# Altium PCB main.PcbDoc (part 1 of 2) (continued)
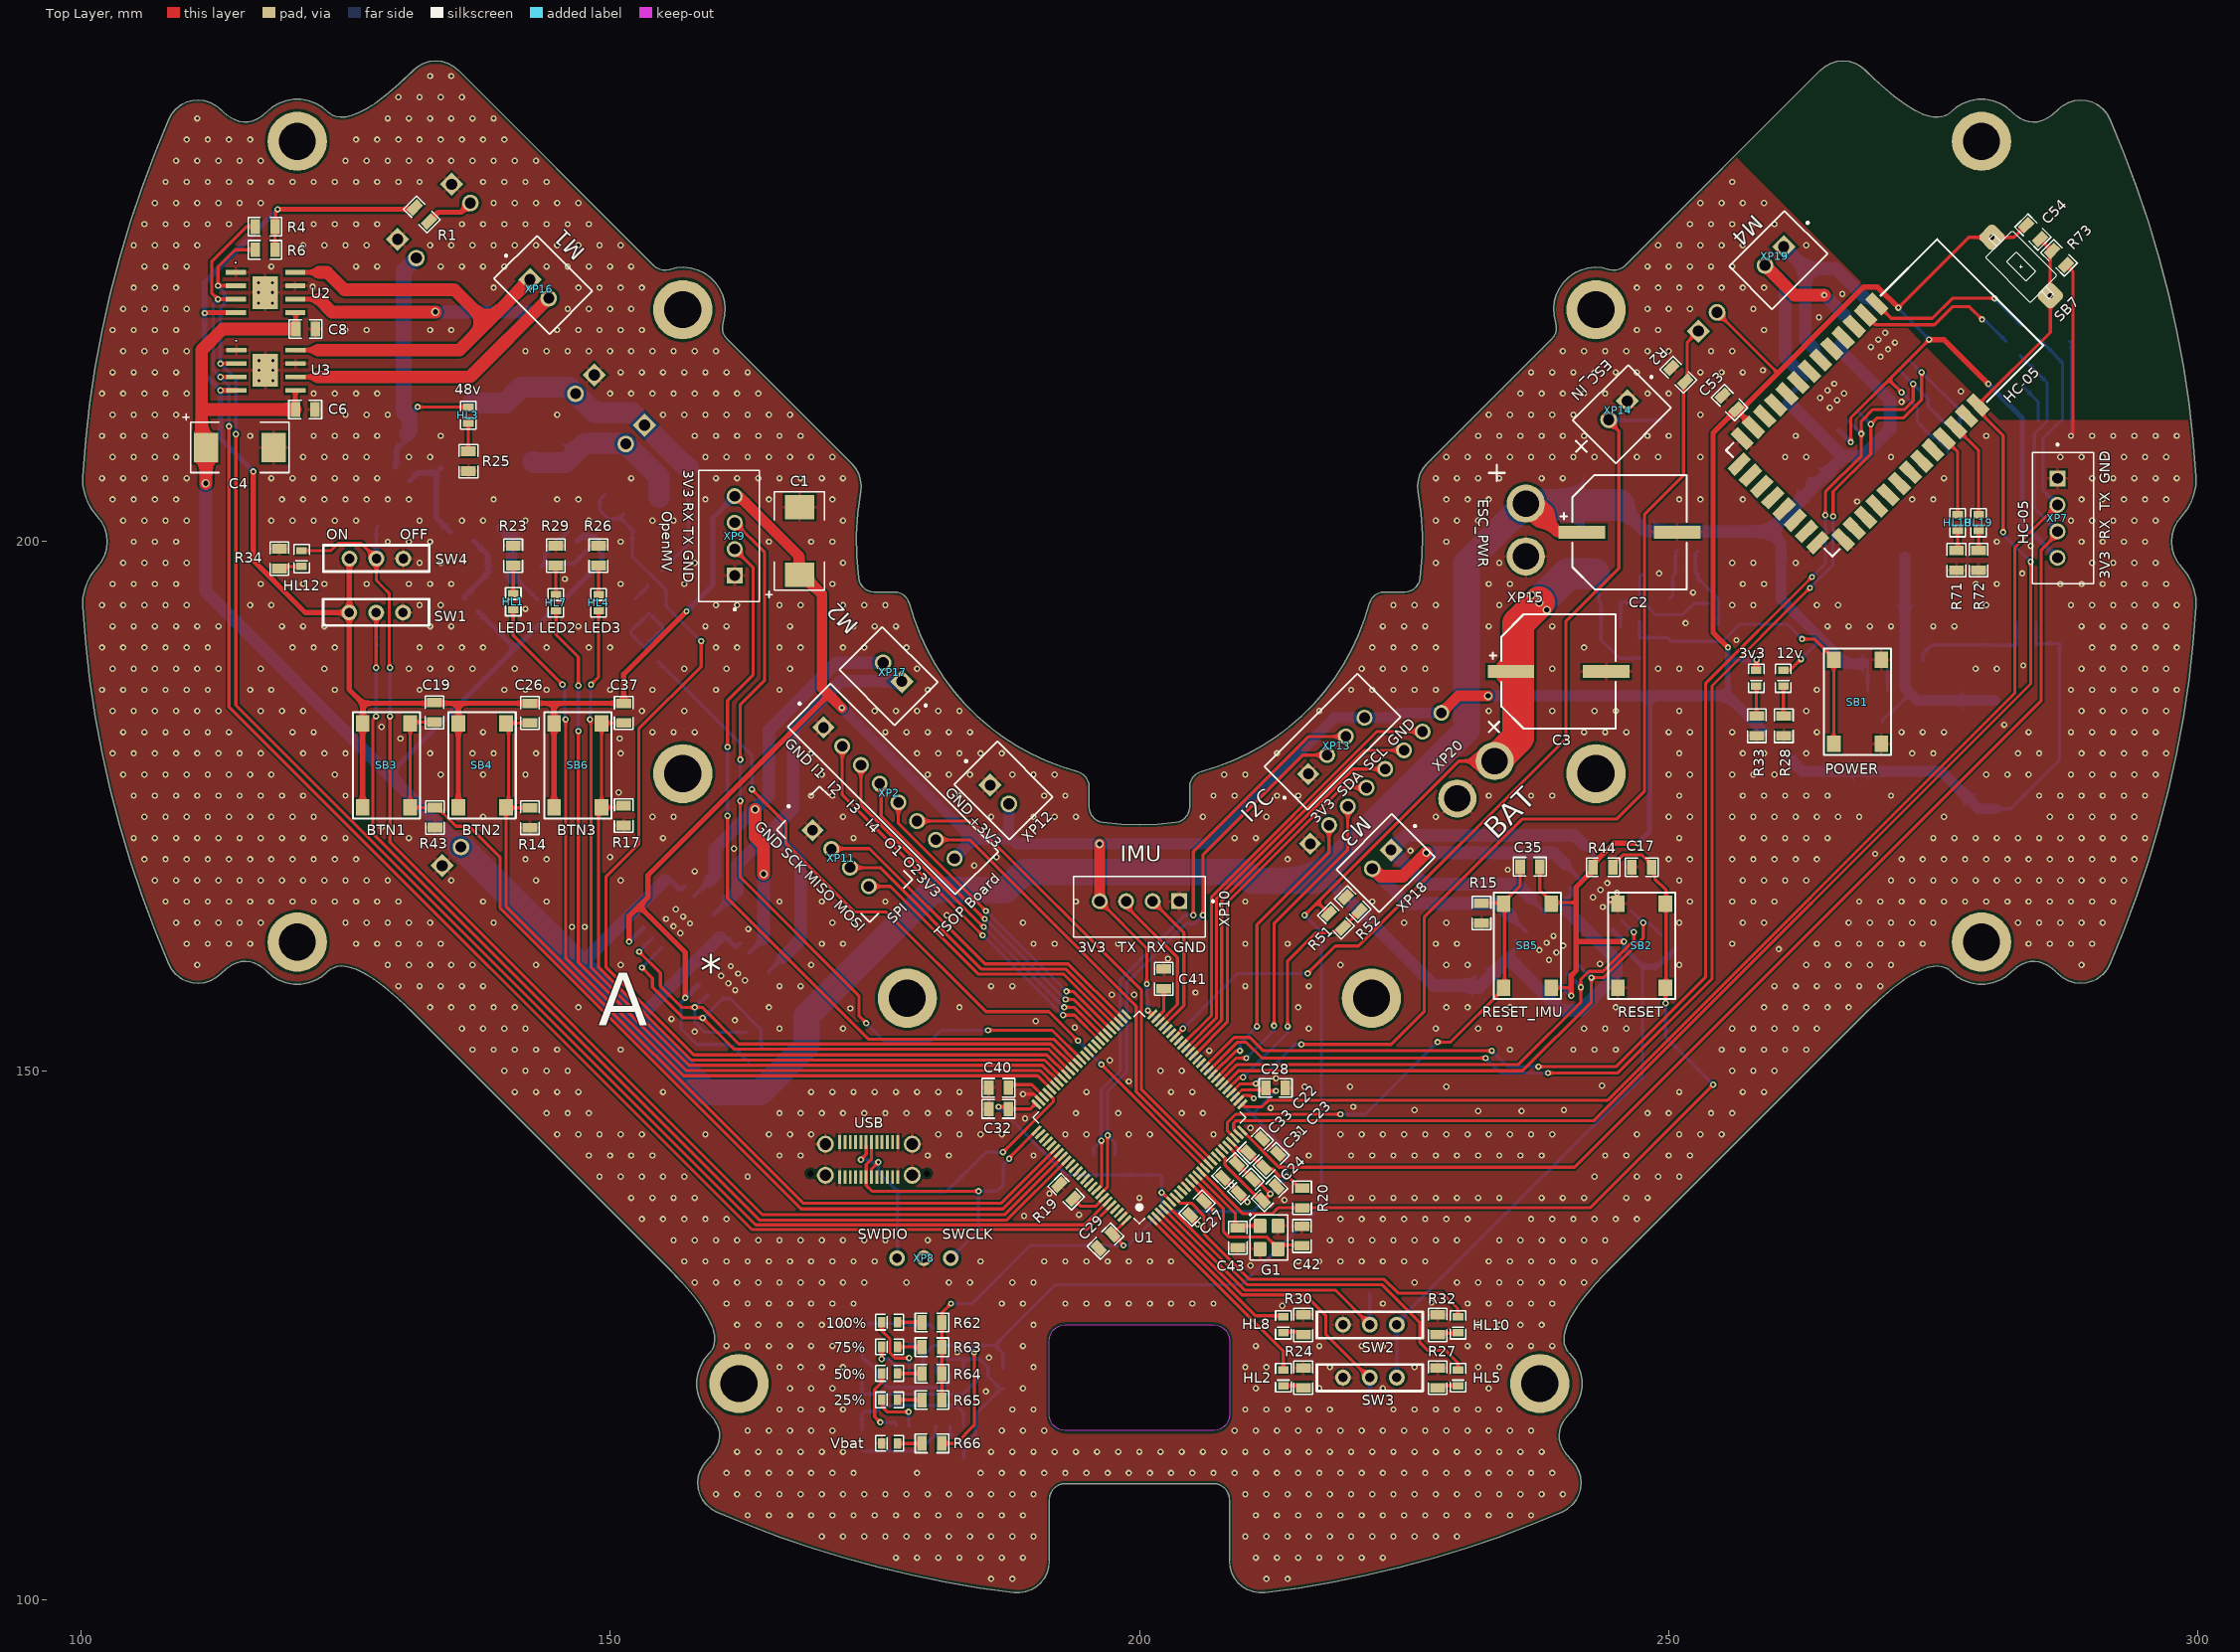
[diagram p0: Top Layer view]
## Components (designator, comment, footprint, x,y, rotation, side; value= is the part's Value field where it differs from the comment) (continued)
R36 "10K" RES0805 247.293,189.917 r90 bottom
R37 "100K" RES0805 244.542,191.917 r0 bottom
R38 "10K" RES0805 220.778,128.92 r0 bottom
R39 "300K" RES0805 251.578,197 r0 bottom
R40 "100K" RES0805 250.863,200.062 r90 bottom
R41 "10K" RES0805 220.778,118.2 r0 bottom
R42 "10K" RES0805 129,201.5 r180 bottom
R43 "10K" RES0805 133.42,173.93 r90 top
R44 "10K" RES0805 243.8,169.2 r180 top
R45 "1K" RES0805 197.72,141.1 r90 bottom
R46 "10K" RES0805 130.4,206.4 r135 bottom
R47 "10K" RES0805 136.9,194 r315 bottom
R48 "1K" RES0805 154.208,196.542 r45 bottom
R49 "13K" RES0805 153.007,193.892 r135 bottom
R50 "1K" RES0805 155.672,191.114 r135 bottom
R51 "39K" RES0805 218.559,164.169 r135 top
R52 "11K" RES0805 220.159,165.769 r315 top
R53 "1K" RES0805 153.912,189.325 r135 bottom
R54 "10K" RES0805 178.242,125.07 r270 bottom
R55 "14K" RES0805 173.825,125.199 r90 bottom
R56 "1K" RES0805 173.825,121.835 r90 bottom
R57 "1K" RES0805 173.825,118.512 r90 bottom
R58 "1K" RES0805 173.805,115.113 r90 bottom
R59 "12K" RES0805 176.1,113.113 r90 bottom
R60 "10K" RES0805 187.166,120.893 r90 bottom
R61 "5.1K" RES0805 182.5,113.4 r0 bottom
R62 "1K" RES0805 180.4,126.247 r0 top
R63 "1K" RES0805 180.4,123.913 r0 top
R64 "1K" RES0805 180.4,121.413 r0 top
R65 "1K" RES0805 180.4,118.913 r0 top
R66 "4.7K" RES0805 180.4,114.813 r0 top
R67 "10K" RES0805 284.218,215.25 r45 bottom
R68 "10K" RES0805 287.218,218.275 r225 bottom
R69 "0R" RES0805 284.054,219.74 r315 bottom
R70 "0R" RES0805 282.55,218.25 r315 bottom
R71 "1K" RES0805 277.156,198.244 r90 top
R72 "1K" RES0805 279.254,198.242 r90 top
R73 "10K" RES0805 286.865,226.8 r135 top
SB1 "POWER" DTSM-61N-V-T/R 265.592,188.838 r270 top
SB2 "RESET" DTSM-61N-V-T/R 249.7,157.85 r90 top
SB3 "BTN1" DTSM-61N-V-T/R 131.119,174.893 r90 top
SB4 "BTN2" DTSM-61N-V-T/R 140.159,174.893 r90 top
SB5 "RESET_IMU" DTSM-61N-V-T/R 234.4,165.8 r270 top
SB6 "BTN3" DTSM-61N-V-T/R 149.2,174.893 r90 top
SB7 "PTS636 SP43 LFS" "PTS636 SP43 LFS" 283.3,226 r135 top
SW1 "ESP1010" ESP1010 127.956,193.314 r0 top
SW2 "Role" ESP1010 221.717,126 r180 top
SW3 "Goal" ESP1010 221.717,121 r180 top
SW4 "Motor" ESP1010 127.977,198.414 r0 top
U1 "STM32F407VGT6" LQFP100 200,145.6 r135 top locked
U2 "DRV8870" DRV8870 117.4,223.55 r270 top
U3 "DRV8870" DRV8870 117.437,216.209 r270 top
U4 "DRV8870" DRV8870 156.415,164.075 r135 bottom
U5 "DRV8870" DRV8870 161.606,158.686 r135 bottom
U6 "DRV8870" DRV8870 238.975,161.612 r225 bottom
U7 "DRV8870" DRV8870 244.061,166.609 r225 bottom
U8 "DRV8870" DRV8870 265.5,213.8 r225 bottom
U9 "DRV8870" DRV8870 270.306,218.606 r225 bottom
U10 "LM139DR" SOIC-14 180.835,118.948 r270 bottom
USB "USB" "USB-C VERTICAL" 174.438,141.603 r180 top (schematic designator J1)
Vbat "Red" LED0603_RED 176.4,114.793 r0 top (schematic designator HL17)
VD1 "Diode TVS" "DO-214AC (SMA)" 187.111,137.221 r270 bottom
VD2 "Diode TVS" "DO-214AC (SMA)" 182.311,137.221 r270 bottom
VD3 "Diode Schottky" "DO-214AC (SMA)" 268.2,183 r180 bottom
VD5 "Diode Schottky" "DO-214AC (SMA)" 156,205.587 r225 bottom
VD6 "Diode Schottky" "DO-214AC (SMA)" 250.098,192.675 r90 bottom
VT1 "IRS4427" SOIC-8 148.185,202.223 r225 bottom
VT2 "STD30NF06L" DPAK 140.4,205.3 r45 bottom
VT3 "TPSTD10P6F6" DPAK 134.725,210.931 r45 bottom
VT4 "IRLML2502" SOT-23-3#1 253.7,193.2 r90 bottom
VT5 "FDD6637" DPAK 245.25,200.25 r90 bottom
VT6 "IRLML2502" SOT-23-3#2 135.7,200 r315 bottom
VT7 "IRLML2502" SOT-23-3#2 139.381,196.391 r315 bottom
XP1 "Line Board" JST_XH-8 222.352,177.623 r45 bottom
XP2 "TSOP Board" JST_XH-8 176.36,176.264 r315 top
XP3 "BALL_LED" JST_XH-2 135.545,232.513 r315 bottom
XP4 "CAP" JST_XH-2 147.245,215.237 r225 bottom
XP5 "BALL_SEN" JST_XH-2 254.055,220.413 r45 bottom
XP6 "Solenoid" JST_XH-2 151.995,210.487 r225 bottom
XP7 "HC-05" JST_XH-4 287.255,202.221 r270 top
XP8 "ST-Lnk" 3x2.54 179.64,132.3 r0 top
XP9 "OpenMV" JST_XH-4 161.246,200.55 r90 top
XP10 "IMU" JST_XH-4 200,165.5 r180 top
XP11 "SPI" "JST_XH-4 (clear)" 171.8,170.1 r315 top
XP12 "+3V3" JST_XH-2 187.155,176.487 r315 top
XP13 "I2C" JST_XH-4 218.245,181.087 r45 top
XP14 "ESC_IN" JST_XH-2 245.587,212.045 r225 top
XP15 "ESC_PWR" XT30_3D 236.5,201.1 r90 top
XP16 "M1" JST_XH-2 143.687,224.255 r315 top
XP17 "M2" JST_XH-2 176.3,187.3 r135 top
XP18 "M3" JST_XH-2 223.255,169.613 r225 top
XP19 "M4" JST_XH-2 260.355,226.613 r225 top
XP20 "BAT" XT30_3D 231.8,177.5 r45 top
XP21 "XL6009 IN" JST_XH-2 135.4,169.9 r45 bottom
XP22 "XL6009 OUT" JST_XH-2 130.445,227.313 r315 bottom

## Footprints (in the part's own frame and the unit in brackets; to place one, negate y for a bottom-side part, rotate by r counter-clockwise, add the part's x,y. Pads: shape width x height; smd on the part's side, far side on the other; paste and mask are expansions set on the pad)
3x2.54 [mm]
  round 1.5 hole 0.9: 1(-2.54,0) 2(0,0) 3(2.54,0)
  body extent -3.81,-1.27 3.81,1.27, height 8.6
CAP0805 [mm] "SMD ceramic capacitor 0805"
  rect 0.9x1.397 smd: 1(-0.929,0.006) 2(0.931,0.006)
  silkscreen extent -1.55,-0.88 1.55,0.88, body extent -1,-0.63 1,0.62, height 1.24
CAP_TANT_D [mil]
  rect 90x110 smd: 1(126.76,-0.24) 2(-125.2,-0.24)
  silkscreen extent -211,-94 184,125, body extent -148,-89 148,89, height 122
D8C3.2H12 [mm]
  rect 3.2x1.2 smd: 1(-3.4,0) 2(3.4,0)
  round 0.5 on Mech1: ""(-4.3,-3.7)
  silkscreen extent -5.5,-4.4 4.4,4.4, body extent -4.85,-4.25 4.85,4.25, height 10.5
D10C4.4H10 [mm]
  rect 4.4x1.2 smd: 1(-4.5,0) 2(4.5,0)
  silkscreen extent -6.5,-5.4 5.4,5.4, body extent -5.9,-5.25 5.9,5.25, height 10.5
"DO-214AC (SMA)" [mm] "SMA"
  rrect0% 2x2.1 smd: A(1.95,0.003) K(-1.95,0.003)
  silkscreen extent -3.25,-1.6 3.22,1.6, body extent -2.65,-1.4 2.65,1.4, height 2.3
DPAK [mm] "TO-252"
  rect 6.25x6.5 smd: D(3.219,0.034)
  rect 2.5x1.2 smd: G(-3.281,2.324) S(-3.281,-2.256)
  round 0.5 on Mech1: ""(-3.231,2.934)
  silkscreen extent -3.41,-3.27 -0.33,3.75, body extent -3.83,-3.28 6.27,3.45, height 2.37
DRV8870 [mm] "DC motor driver"
  rect 0.45x1.9 smd: 1(-1.897,-2.75) 2(-0.627,-2.75) 3(0.643,-2.75) 4(1.913,-2.75) 5(1.913,2.85) 6(0.643,2.85) 7(-0.627,2.85) 8(-1.897,2.85)
  rect 3.1x2.4 smd: 9(0.008,0)
  body extent -2.45,-2.85 2.45,3.05, height 1.46
DTSM-61N-V-T/R [mm] "Tactile button"
  rect 1.55x1.3 smd: 1(0,4.5) 2(7.95,4.5) 3(0,0) 4(7.95,0)
  silkscreen extent -1.05,-0.93 9,5.43, body extent -0.52,-0.75 8.47,5.25, height 4.3
ESP1010 [mm] "Slide switch"
  round 1.5 hole 0.9: 1(-2.596,-0.014) 2(-0.056,-0.014) 3(2.484,-0.014)
  silkscreen extent -5.06,-1.24 4.94,1.26, body extent -5.06,-1.24 4.94,1.26, height 6.55
HC-05 [mm] "Bluetooth HC-05"
  rect 2.2x1 smd: 1(-6.886,6.787) 2(-6.886,5.287) 3(-6.886,3.787) 4(-6.886,2.287) 5(-6.886,0.787) 6(-6.886,-0.713) 7(-6.886,-2.213) 8(-6.886,-3.713) 9(-6.886,-5.213) 10(-6.886,-6.713) 11(-6.886,-8.213) 12(-6.886,-9.713) 13(-6.886,-11.213) 22(6.614,-11.213) 23(6.614,-9.713) 24(6.614,-8.213) 25(6.614,-6.713) 26(6.614,-5.213) 27(6.614,-3.713) 28(6.614,-2.213) 29(6.614,-0.713) 30(6.614,0.787) 31(6.614,2.287) 32(6.614,3.787) 33(6.614,5.287) 34(6.614,6.787)
  rect 1x2.2 smd: 14(-5.386,-13.113) 15(-3.886,-13.113) 16(-2.386,-13.113) 17(-0.886,-13.113) 18(0.614,-13.113) 19(2.114,-13.113) 20(3.614,-13.113) 21(5.114,-13.113)
  round 0.5 on Mech1: 33(-6.586,7.787)
  round 0.5 on Top Overlay: 34(-7.686,7.787)
  silkscreen extent -7.19,-13.06 7.01,15.14, body extent -6.55,-12.95 6.45,13.95, height 2.2
"IND: B82477G" [mm]
  rrect50% 3x6 smd: 1(-0.25,1.5) 2(10,1.5)
  silkscreen extent -1.5,-5 11.25,8, body extent -1.5,-4.9 11.3,7.9, height 8
JST_XH-2 [mm] "JST_B2B-XH-A(LF)(SN)"
  rect 1.575x1.575 / inner round 1.575 / far side rect 1.575x1.575 hole 1.05: 1(-1.25,-0.525)
  round 1.575 hole 1.05: 2(1.25,-0.525)
  silkscreen extent -4.55,-2.88 3.7,2.88, body extent -3.7,-2.88 3.7,2.88, height 7
JST_XH-4 [mm] "JST_B4B-XH-A(LF)(SN)"
  rect 1.508x1.508 / inner round 1.508 / far side rect 1.508x1.508 hole 1: 1(-3.75,-0.525)
  round 1.508 hole 1: 2(-1.25,-0.525) 3(1.25,-0.525) 4(3.75,-0.525)
  silkscreen extent -7.05,-2.88 6.2,2.88, body extent -6.2,-2.88 6.2,2.88, height 7
"JST_XH-4 (clear)" [mm]
  rect 1.508x1.508 / inner round 1.508 / far side rect 1.508x1.508 hole 1: 1(-3.75,-0.025)
  round 1.508 hole 1: 2(-1.25,-0.025) 3(1.25,-0.025) 4(3.75,-0.025)
  silkscreen extent -7.05,-2.38 6.2,3.38, body extent -6.2,-2.38 6.2,3.37, height 7
JST_XH-8 [mm] "JST_B8B-XH-A(LF)(SN)"
  rect 1.508x1.508 hole 1: 1(-8.75,-0.017)
  round 1.508 hole 1: 2(-6.25,-0.017) 3(-3.75,-0.017) 4(-1.25,-0.017) 5(1.25,-0.017) 6(3.75,-0.017) 7(6.25,-0.017) 8(8.75,-0.017)
  silkscreen extent -12.05,-2.37 11.2,3.38, body extent -11.2,-2.37 11.2,3.38, height 7
LED0603_GREEN [mm] "Green SMD LED"
  rect 0.7x1 smd: 1(-0.75,0) 2(0.75,0)
  silkscreen extent -1.33,-0.73 1.33,0.73, body extent -0.8,-0.4 0.8,0.4, height 0.6
LED0603_RED [mm] "Red SMD LED"
  rect 0.7x1 smd: 1(-0.75,0) 2(0.75,0)
  silkscreen extent -1.33,-0.73 1.33,0.73, body extent -0.82,-0.4 0.78,0.4, height 0.6
LED0603_WHITE [mm] "White SMD LED"
  rect 0.7x1 smd: 1(-0.75,0) 2(0.75,0)
  silkscreen extent -1.33,-0.73 1.33,0.73, body extent -0.8,-0.4 0.8,0.4, height 0.75
LQFP100 [mm] "Microcontroller"
  rect 1.2x0.3 smd: 1(-7.75,6) 2(-7.75,5.5) 3(-7.75,5) 4(-7.75,4.5) 5(-7.75,4) 6(-7.75,3.5) 7(-7.75,3) 8(-7.75,2.5) 9(-7.75,2) 10(-7.75,1.5) 11(-7.75,1) 12(-7.75,0.5) 13(-7.75,0) 14(-7.75,-0.5) 15(-7.75,-1) 16(-7.75,-1.5) 17(-7.75,-2) 18(-7.75,-2.5) 19(-7.75,-3) 20(-7.75,-3.5) 21(-7.75,-4) 22(-7.75,-4.5) 23(-7.75,-5) 24(-7.75,-5.5) 25(-7.75,-6) 51(7.75,-6) 52(7.75,-5.5) 53(7.75,-5) 54(7.75,-4.5) 55(7.75,-4) 56(7.75,-3.5) 57(7.75,-3) 58(7.75,-2.5) 59(7.75,-2) 60(7.75,-1.5) 61(7.75,-1) 62(7.75,-0.5) 63(7.75,0) 64(7.75,0.5) 65(7.75,1) 66(7.75,1.5) 67(7.75,2) 68(7.75,2.5) 69(7.75,3) 70(7.75,3.5) 71(7.75,4) 72(7.75,4.5) 73(7.75,5) 74(7.75,5.5) 75(7.75,6)
  rect 0.3x1.2 smd: 26(-6,-7.75) 27(-5.5,-7.75) 28(-5,-7.75) 29(-4.5,-7.75) 30(-4,-7.75) 31(-3.5,-7.75) 32(-3,-7.75) 33(-2.5,-7.75) 34(-2,-7.75) 35(-1.5,-7.75) 36(-1,-7.75) 37(-0.5,-7.75) 38(0,-7.75) 39(0.5,-7.75) 40(1,-7.75) 41(1.5,-7.75) 42(2,-7.75) 43(2.5,-7.75) 44(3,-7.75) 45(3.5,-7.75) 46(4,-7.75) 47(4.5,-7.75) 48(5,-7.75) 49(5.5,-7.75) 50(6,-7.75) 76(6,7.75) 77(5.5,7.75) 78(5,7.75) 79(4.5,7.75) 80(4,7.75) 81(3.5,7.75) 82(3,7.75) 83(2.5,7.75) 84(2,7.75) 85(1.5,7.75) 86(1,7.75) 87(0.5,7.75) 88(0,7.75) 89(-0.5,7.75) 90(-1,7.75) 91(-1.5,7.75) 92(-2,7.75) 93(-2.5,7.75) 94(-3,7.75) 95(-3.5,7.75) 96(-4,7.75) 97(-4.5,7.75) 98(-5,7.75) 99(-5.5,7.75) 100(-6,7.75)
  silkscreen extent -7.1,-7.1 7.1,7.1, body extent -8.03,-8 7.97,8, height 1.6
"PTS636 SP43 LFS" [mm]
  rrect50% 2x2 hole 0.5: 1(-3.9,0) 2(3.9,0)
  silkscreen extent -4,-1.8 4,1.8
RES0805 [mm] "SMD resistor 0805"
  rect 0.9x1.397 smd: 1(-0.938,-0.02) 2(0.942,-0.02)
  silkscreen extent -1.58,-0.9 1.58,0.85, body extent -1,-0.63 1,0.62, height 0.5
RES1206 [mm] "SMD resistor 1206"
  rect 1x1.77 smd: 1(-1.6,0) 2(1.6,0)
  silkscreen extent -2.28,-1.08 2.28,1.08, body extent -1.6,-0.8 1.6,0.8, height 0.55
SOD-80 [mm]
  rect 1.11x1.73 smd: A(1.67,0.022) K(-1.74,0.022)
  silkscreen extent -2.8,-1.09 2.47,1.14, body extent -1.79,-0.78 1.71,0.82, height 1.6
SOIC-8 [mm] "SOIC-8"
  rrect25% 1.97x0.6 smd: 1(-2.498,1.907) 2(-2.498,0.637) 3(-2.498,-0.633) 4(-2.498,-1.903) 5(2.442,-1.903) 6(2.442,-0.633) 7(2.442,0.637) 8(2.442,1.907)
  silkscreen extent -2.3,-2.7 2.3,3.3, body extent -2.95,-2.45 2.95,2.45, height 1.5
SOIC-14 [mm] "SOIC-14"
  rrect50% 1.97x0.6 smd: 1(-2.441,3.804) 2(-2.441,2.534) 3(-2.441,1.264) 4(-2.441,-0.006) 5(-2.441,-1.276) 6(-2.441,-2.546) 7(-2.441,-3.816) 8(2.509,-3.816) 9(2.509,-2.546) 10(2.509,-1.276) 11(2.509,-0.006) 12(2.509,1.264) 13(2.509,2.534) 14(2.509,3.804)
  silkscreen extent -2.2,-4.57 2.3,5.1, body extent -2.97,-4.33 3.03,4.32, height 1.75
SOT-23-3#1 [mm]
  rect 0.8x0.8 smd: D(0.967,0.043)
  rect 0.9x0.8 smd: G(-1.033,0.993) S(-1.033,-0.907)
  silkscreen extent -1.68,-1.51 1.57,2.14, body extent -1.18,-1.46 1.12,1.54, height 1.1
SOT-23-3#2 [mm]
  rect 1.4x1 smd: D(-1.195,-0.091) G(1.005,-1.041) S(1.005,0.859)
  silkscreen extent -2.1,-1.8 2,1.6, body extent -1.37,-1.58 0.93,1.42, height 1.1
TO263-5L [mm] "XL4015"
  rect 1.05x2.5 smd: 1(-3.199,-6.264) 2(-1.499,-6.264) 3(0.201,-6.264) 4(1.901,-6.264) 5(3.601,-6.264)
  rect 10.9x9.1 smd: 3(0.201,3.636)
  body extent -4.88,-6.92 5.28,7.74, height 4.83
TSX-3225 [mm]
  round 0.508 on Mech15: 0(0,0)
  rrect25% 1.4x1.2 smd: 1(-1.1,-0.85) 2(1.1,-0.85) 3(1.1,0.85) 4(-1.1,0.85)
  silkscreen extent -2.26,-1.88 2.16,1.78, body extent -1.65,-1.3 1.65,1.3, height 0.8
"USB-C VERTICAL" [mm]
  round 0 hole 0.6 unplated: 8(-5.5,1.3) 8(5.5,1.3)
  rect 0.27x1.3 smd: A1(-2.75,1.65) A2(-2.25,1.65) A3(-1.75,1.65) A4(-1.25,1.65) A5(-0.75,1.65) A6(-0.25,1.65) A7(0.25,1.65) A8(0.75,1.65) A9(1.25,1.65) A10(1.75,1.65) A11(2.25,1.65) A12(2.75,1.65) B1(2.75,-1.65) B2(2.25,-1.65) B3(1.75,-1.65) B4(1.25,-1.65) B5(0.75,-1.65) B6(0.25,-1.65) B7(-0.25,-1.65) B8(-0.75,-1.65) B9(-1.25,-1.65) B10(-1.75,-1.65) B11(-2.25,-1.65) B12(-2.75,-1.65)
  round 1.6 hole 1.1: S1(-4.1,1.47) S2(4.1,1.47) S3(-4.1,-1.47) S4(4.1,-1.47)
  body extent -4.48,-1.84 4.47,1.85, height 7.46
XT30_3D [mm]
  round 3.6 hole 2.5 paste+6: 1(-2.5,0) 2(2.5,0)
  body extent -5.23,-2.58 5.23,2.67, height 13

## Part data
3v3 12v 25% 50% 75% 100% HL1 HL2 HL3 HL4 HL5 HL7 HL8 HL10 HL12 HL18 HL19 Vbat: library part LED, "LED smd"
C1 C4 C5 C10 C11: library part "CAP Tantal", "Tantal SMD Cap"
C2 C36: library part "Cap Aluminum", "25V", ComponentLink1Description=Chipdip
  C2: ComponentLink1URL=https://www.chipdip.ru/product0/9000565743
  C36: ComponentLink1URL=https://www.chipdip.ru/product0/9000565748
C3: library part "Cap Aluminum", ComponentLink1Description=Chipdip, ComponentLink1URL=https://www.chipdip.ru/product0/9000565743
C6 C7 C8 C9 C12 C13 C14 C15 C17 C18 C19 C20 C21 C22 C23 C24 C25 C26 C27 C28 C29 C30 C31 C32 C33 C34 C35 C37 C38 C40 C41 C42 C43 C44 C45 C46 C52 C53 C54: library part "CAP Ceramic", "Ceramic SMD Cap"
C16: library part "Cap Aluminum", "50V", ComponentLink1Description=Chipdip, ComponentLink1URL=https://www.chipdip.ru/product0/9000565743
D1 D2: library part "Diode Zener", "Zener Diode / BZV55C8V2"
DA1: "Buck converter"
G1: library part "TSX-3225 24.0000MF15X-AC6", "24MHz ±10ppm Crystal 9pF 40 Ohms 4-SMD, No Lead", Digi-Key Part Number=SER4180CT-ND, HelpURL=https://www.digikey.com/en/products/detail/epson/TSX-3225-24-0000MF15X-AC6/5261221, Manufacturer Part Number="TSX-3225 24.0000MF15X-AC6", Part Number="TSX-3225 24.0000MF15X-AC6", Price$=0.33
HC-05: "Bluetooth HC-05", ComponentLink1Description=Chipdip, ComponentLink1URL=https://www.chipdip.ru/product0/8020390968
L1: library part Inductor, ComponentLink1Description=Chipdip, ComponentLink1URL=https://www.chipdip.ru/product/b82477g4473m
R1 R2 R3 R4 R5 R6 R7 R8 R9 R10 R11 R12 R13 R14 R15 R16 R17 R18 R19 R20 R21 R22 R23 R24 R25 R26 R27 R28 R29 R30 R31 R32 R33 R34 R35 R36 R37 R38 R39 R40 R41 R42 R43 R44 R45 R46 R47 R48 R49 R50 R51 R52 R53 R54 R55 R56 R57 R58 R59 R60 R61 R62 R63 R64 R65 R66 R67 R68 R69 R70 R71 R72 R73: library part RES, "RES smd"
SB1 SB2 SB3 SB4 SB5 SB6: library part Button
SB7: "TACT 6.0 X 3.5, 4.3 MM H, 320GF,", Digi-Key Part Number=CKN12304-ND, HelpURL=https://www.digikey.com/product-detail/en/c-k/PTS636-SP43-LFS/CKN12304-ND/10071717, Manufacturer Part Number="PTS636 SP43 LFS", Part Number="PTS636 SP43 LFS", Price$=0.1
SW1: "2 pos switch", ComponentLink1Description=Chipdip, ComponentLink1URL=https://www.chipdip.ru/product0/8007034319
SW2 SW3 SW4: library part ESP1010, "2 pos switch", ComponentLink1Description=Chipdip, ComponentLink1URL=https://www.chipdip.ru/product0/8007034319
U1: "ARM Cortex-M4 32-bit MCU+FPU, 210 DMIPS, 1024 kB Flash, 192 kB Internal RAM, 82 I/Os, 100-pin LQFP, -40 to 85 degC, Tray", I/Os (High Current)=82, MANUFACTURER=STMicroelectronics, Operating Frequency(F) (Processor speed) (MHz)=168, Supplier Part Number 1=497-11605-ND, Supply Voltage(Vcc) max (V)=3.6, Supply Voltage(Vcc) min (V)=1.8, ComponentLink1Description="Manufacturer URL", ComponentLink1URL=http://www.st.com/web/en/home.html, ComponentLink2Description=Datasheet, ComponentLink2URL=http://www.st.com/st-web-ui/static/active/en/resource/technical/document/datasheet/DM00037051.pdf, ComponentLink3Description="Package Specification", ComponentLink3URL=http://www.st.com/st-web-ui/static/active/en/resource/technical/document/data_brief/DM00071938.pdf, Core="ARM Cortex-M4", D/A Converter=2x12-bit, DatasheetVersion="Rev. 4", FLASH Size (Prog) (kB)=1024, Internal RAM Size (kB)=192, Mounting Technology="Surface Mount", PackageDescription="100-Pin Low Profile Quad Flat Package, 14 x 14 mm Body, 0.5 mm Pitch", PackageReference=LQFP100, PackageVersion="Rev. 1, 06/2013", Packing=Tray, PartNumber=STM32F407VGT6, Supplier 1=Digi-Key, Supplier 2=Farnell, Supplier 3=Newark, Supplier 4=Mouser, Supplier Part Number 2=2064368, Supplier Part Number 3=73T2333, Supplier Part Number 4=511-STM32F407VGT6
U2 U3 U4 U5 U6 U7 U8 U9: "DC motor driver 3.6A"
U10: "Quad differential comparator", ComponentLink1Description=Chipdip, ComponentLink1URL=https://www.chipdip.ru/product0/8013766664
USB: library part USB-C, "USB4145-04-0070-C"
VD1 VD2: "Protective diode"
VT1: "Mosfet driver"
VT2: "N-MOSFET / Uds = 60 V / Ids = 30 A / Rds = 0.023 Ohm / P = 55 W", ComponentLink1Description=Chipdip, ComponentLink1URL=https://www.chipdip.ru/product/std30nf06l-umw
VT3: "P-MOSFET / Uds = 60 V / Ids = 13 A / Rds = 0.100 Ohm / P = 60 W", ComponentLink1Description=Chipdip, ComponentLink1URL=https://www.chipdip.ru/product/tpstd10p6f6
VT4 VT7: "N-MOSFET / Uds = 20 V / Ids = 4.2 A / Rds = 0.035 Ohm / P = 8 W", ComponentLink1Description=Chipdip, ComponentLink1URL=https://www.chipdip.ru/product/irlml2502-umw
VT5: "P-MOSFET / Uds = 40 V / Ids = 40 A / Rds = 0.012 Ohm / P = 3.0 W", ComponentLink1Description=Chipdip, ComponentLink1URL=https://www.chipdip.ru/product/fdd6637-vbsemi
VT6: "N-MOSFET / Uds = 20 V / Ids = 4.2 A / Rds = 0.035 Ohm / P = 1,25 W", ComponentLink1Description=Chipdip, ComponentLink1URL=https://www.chipdip.ru/product/irlml2502-umw
XP1 XP2: library part JST-XH-8, "JST_B8B-XH-A(LF)(SN)"
XP3 XP4 XP5 XP6 XP12 XP14 XP16 XP17 XP18 XP19 XP21 XP22: library part JST-XH-2, "JST_B2B-XH-A(LF)(SN)"
XP7 XP9 XP10 XP11 XP13: library part JST_XH-4, "JST_B4B-XH-A(LF)(SN)"
XP8: library part "Header 3"
XP15 XP20: library part "Power connectors"

## Free pads (board coordinates)
  round 5.6 hole 3.5: 1(120.45,162.17) 1(120.45,237.83) 1(156.866,178.08) 1(156.866,221.92) 1(162.17,120.45) 1(178.08,156.866) 1(221.92,156.866) 1(237.83,120.45) 1(243.133,178.08) 1(243.133,221.92) 1(279.549,162.17) 1(279.549,237.83)

## Via types
v1: diameter 0.6, hole 0.3, Top Layer to Bottom Layer, tented both sides, 1878 vias
v2: diameter 0.8, hole 0.5, Top Layer to Bottom Layer, tented both sides, 10 vias

## Nets (pads, with @x,y where several pads share a name; then routed paths per layer and width w, separated by ;. In a path a pad name is that pad's centre, name@x,y a point inside that pad or via, vN(x,y) a via of type N, cw(c..) or ccw(c..) an arc to the next point about the centre after c; other vN are vias at no path point)
+3V3: 3v3.2 C1.2 C19.1 C20.1 C21.1 C22.1 C23.1 C24.1 C26.1 C27.1 C28.1 C29.1 C30.1 C31.2 C32.1 C33.2 C35.1 C37.1 C53.2 C54.1 HC-05.12 R1.2 R4.2 R5.2 R6.2 R7.2 R8.2 R9.2 R10.2 R11.2 R16.2 R20.1 R31.1 R44.2 R45.1 R62.2 R63.2 R64.2 R65.2 SB3.1 SB3.2 SB4.1 SB4.2 SB5.1 SB5.2 SB6.1 SB6.2 SB7.2 SW1.1 SW2.1 SW3.1 SW4.1 U1.6 U1.11 U1.19 U1.21 U1.22 U1.28 U1.50 U1.75 U1.100 U2.4 U3.4 U4.4 U5.4 U6.4 U7.4 U8.4 U9.4 XP1.8 XP2.8 XP5.2 XP7.4 XP9.4 XP10.4 XP12.2 XP13.4 | length 736.1
  Top Layer w0.3: v1@111.681,221.581 v1(111.7,221.6) 111.727,221.6 v1@111.764,221.637 ; R4.2@118.342,227.58 R6.2@118.342,229.78 118.4,229.838 118.4,231.119 118.6,231.319 v1(118.6,231.4) ; R65.2@181.342,118.893 R64.2@181.342,121.393 R63.2@181.342,123.893 R62.2@181.342,126.227 181.342,127.142 v1(182.2,128) ; v1(186.7,146.6) 187.423,146.6 C32.1@187.629,146.394 189.694,146.394 190.207,146.907 U1.75@190.277,146.837 ; XP10.4@196.25,166.025 200.7,161.575 v1(200.7,158.2) ; v1(198.5,133.5) 197.461,134.539 C29.1@197.461,134.553 197.461,134.576 U1.100@198.763,135.877 ; v1(200.8,155.7) 201.207,155.293 U1.50@201.237,155.323 ; v1(202.1,138.5) 202.15,138.5 U1.6@203.005,137.645 ; U1.11@204.773,139.413 206.1,138.086 C27.1@206.1,137.675 206.125,137.675 v1(207.1,136.7) ; U1.19@207.601,142.241 208.1,141.743 208.1,141.1 211.453,137.747 C24.1@211.639,137.747 211.747,137.747 v1@212.3,138.3 ; U1.21@208.308,142.948 209.042,142.214 209.042,141.394 C33.2@209.218,141.218 209.259,141.218 C31.2@210.719,139.758 210.986,139.758 v1(212.372,138.372) ; U1.22@208.662,143.302 209.513,142.451 210.112,142.451 C22.1@210.288,142.276 211.688,140.876 C23.1@211.788,140.876 211.964,140.7 212.6,140.7 213.275,140.025 213.875,140.025 v1(213.9,140) ; U1.28@209.016,147.545 209.671,148.2 211.819,148.2 C28.1@211.94,148.321 ; C28.1@211.94,148.4 C28.1@211.94,148.321 ; v1(212.9,148.1) 212.04,148.1 211.94,148.2 C28.1@211.94,148.321 ; v1@214.127,139.943 215.131,138.938 R20.1@215.38,138.938 ; C35.1@237.829,169.294 237.829,167.071 238.4,166.5 238.4,166.3 SB5.1@238.9,165.8 ; SB5.2@238.9,157.85 240.8,157.85 ; SB5.1@239,165.9 241.258,165.9 ; XP5.2@254.568,221.668 260.3,215.936 ; C53.2@256.415,212.485 256.839,212.485 257.135,212.78 257.144,212.78 ; v1(267.2,209.4) 267.2,211.7 270.8,215.3 ; v1(271.7,222.1) 278.358,228.758 SB7.2@280.542,228.758 282.609,228.758 C54.1@283.763,229.912 ; v1(272,214.1) 270.8,215.3 ; v1(274.6,219.1) 270.8,215.3
  Top Layer w0.5: v1@111.764,221.637 U2.4@114.65,221.637 ; v1(113.2,214.296) U3.4@114.687,214.296 ; v1(116.3,206.625) 116.3,198.21 121.21,193.3 SW1.1@125.36,193.3 125.36,186.006 126.637,184.729 ; v1(118.6,231.4) 118.605,231.405 131.372,231.405 R1.2@131.548,231.581 ; SW1.1@125.37,193.31 125.37,198.39 SW4.1@125.38,198.4 ; SB3.1@126.619,174.893 SB3.2@126.619,182.843 ; SB3.2@126.637,182.862 126.637,184.729 ; C19.1@133.42,184.806 C19.1@133.42,184.729 ; SB4.1@135.659,174.893 SB4.2@135.659,182.843 135.659,184.729 ; SB6.1@144.7,174.893 SB6.2@144.7,182.843 144.7,184.729 ; v1(151.8,162.2) 151.8,164.629 152.735,165.565 ; v1(157.1,156.9) 157.1,161.2 152.735,165.565 ; v1(157.224,193.417) 151.286,187.479 C37.1@151.286,184.729 144.7,184.729 ; 170.65,185.55 153.576,168.476 153.576,166.405 152.735,165.565 ; v1(240.8,157.1) 240.8,157.85 240.8,159.008 241.258,159.466 241.258,162.2 ; R44.2@242.658,169.269 242.658,168.758 241.258,167.358 241.258,165.9 241.258,162.2 ; R44.2@242.858,169.22 243.058,169.42 243.058,169.758 244.8,171.5 v1(247.1,171.5) ; v1(245.776,162.224) 241.282,162.224 241.258,162.2 ; v1(255.6,190) 254.2,191.4 254.2,210.27 C53.2@256.415,212.485 256.415,212.435 258,210.85 HC-05.12@258,210.8 ; 257.144,212.78 268.432,224.068 269.732,224.068 269.8,224 v1(271.7,222.1) ; 3v3.2@258.271,187.85 258.285,187.865 258.285,188.824 v1(258.3,188.839) ; v1(274.6,219.1) 276,219.1 v1(280.2,214.9) ; 126.637,184.729 C19.1@133.42,184.729 ; C19.1@133.42,184.729 135.659,184.729 ; 135.659,184.729 C26.1@142.432,184.729 144.7,184.729
  Top Layer w1: XP9.4@161.771,204.3 161.868,204.203 162.297,204.203 167.861,198.639 167.861,196.913 C1.2@167.9,196.874 ; C1.2@168.154,196.874 170,195.028 170,186.476 170,186.2 170.95,185.25 v1(171.9,184.3) ; v2(196.242,171.444) 196.25,171.436 XP10.4@196.25,166.025 ; XP1.8@228.527,183.822 230.137,185.431 v2(232.931,185.431)
  Bottom Layer w0.3: v1(157.1,156.9) 156.7,156.5 156.7,154 158.2,152.5 160.993,152.5 161.174,152.319 R7.2@161.598,152.319 161.611,152.319 163.098,150.832 R5.2@163.098,150.819 ; v1(182.2,128) 184.2,128 189.7,133.5 v1(198.5,133.5) 198.538,133.538 198.923,133.538 202.1,136.715 ; v1(186.7,146.6) 193.138,140.162 R31.1@195.68,140.162 R45.1@197.7,140.162 197.709,140.171 C20.1@200.006,140.171 C21.1@202.006,140.171 202.1,140.077 v1(202.1,138.5) 202.1,136.715 ; v1(200.7,158.2) 200.7,157.065 C30.1@200.771,156.994 200.8,156.965 v1(200.8,155.7) 210.5,146 ; v1(212.372,138.372) 210.715,136.715 202.1,136.715 ; v1@212.522,138.622 v1(213.9,140) 213.9,142.6 210.5,146 ; v1(212.9,148.1) 210.8,146 210.5,146 ; SW3.1@224.314,120.936 SW3.1@224.314,121.014 SW2.1@224.314,126.014 224.314,126.186 247.513,149.386 247.513,159.847 ; U9.4@270.898,215.308 270.898,215.255 272,214.153 v1(272,214.1) 273.5,212.6 273.5,211.268 R11.2@274.948,209.819 ; v1(271.7,222.1) 271.7,222.05 274.6,219.15 v1(274.6,219.1) ; R11.2@274.922,209.819 R11.2@274.948,209.819 ; R9.2@276.348,208.419 276.348,208.778 275.307,209.819 R11.2@274.948,209.819
  Bottom Layer w0.5: v1@113.2,214.269 113.2,209.725 v1(116.3,206.625) ; v1(113.2,214.296) 111.7,215.796 v1(111.7,221.6) 111.7,224.5 v1(118.6,231.4) ; v1@151.853,162.219 U4.4@153.117,163.483 ; v1(157.1,156.9) 157.107,156.9 158.302,158.095 U5.4@158.309,158.095 ; v1(157.224,193.417) 159.699,195.892 159.699,202.228 XP9.4@161.771,204.3 ; U6.4@239.567,158.314 239.576,158.314 240.791,157.1 v1(240.8,157.1) ; U7.4@244.653,163.311 244.671,163.311 245.758,162.224 v1(245.776,162.224) 245.795,162.205 245.795,161.565 247.513,159.847 248.944,159.847 R10.2@249.12,160.023 R10.2@249.12,160.023 R8.2@250.612,161.512 R8.2@250.612,161.512 ; v1(247.1,171.5) 248.2,172.6 248.2,185.431 ; 255.582,185.431 255.582,188.779 ; v1(255.6,190) 255.582,189.982 255.582,188.779 ; v1(258.3,188.839) 255.641,188.839 255.582,188.779 ; U8.4@266.092,210.502 266.095,210.502 267.197,209.4 v1(267.2,209.4) ; v1(280.2,214.9) 283.405,211.695 283.405,201.796 XP7.4@286.73,198.471
  Bottom Layer w1: v1(171.9,184.3) 184.303,171.897 ; XP2.8@182.536,170.064 182.536,170.129 184.303,171.897 ; XP12.2@187.668,175.232 187.668,171.897 ; v2(196.242,171.444) 188.397,171.444 187.944,171.897 187.668,171.897 ; v2(196.242,171.444) 206.51,171.446 218.432,183.368 XP13.4@221.268,183.368 224.068,183.368 224.522,183.822 XP1.8@228.527,183.822 ; v2(232.931,185.431) 248.2,185.431 255.582,185.431 258.925,182.088 R16.2@258.869,182.031 ; 184.303,171.897 187.668,171.897
+12V: 12v.2 C2.1 C4.2 C5.2 C6.2 C7.2 C8.2 C9.2 C10.2 C11.2 C12.2 C13.2 C14.2 C15.2 C16.1 C18.2 C25.2 C46.2 DA1.5 R40.2 R47.2 U2.5 U3.5 U4.5 U5.5 U6.5 U7.5 U8.5 U9.5 VT1.6 VT5.D XP15.2 XP21.2 | length 428.2
  Top Layer w0.3: 12v.2@260.823,187.85 261.45,187.85 v1(262.5,188.9)
  Top Layer w0.4: U2.5@120.25,221.637 120.281,221.637 120.306,221.612 C8.2@120.306,220.087 ; C6.2@120.269,212.488 120.269,214.278 U3.5@120.287,214.296
  Top Layer w1: 238,202.5 239.497,200.9 C2.1@241.8,200.9
  Top Layer w1.2: v2(111.8,205.5) 111.82,205.52 C4.2@111.82,208.894 111.412,209.302 111.412,218.1 113.399,220.087 119.856,220.087 ; 111.832,212.488 C6.2@120.269,212.488
  Top Layer w2.5: XP15.2@236.5,203.6 236.798,203.6 238,202.5
  Bottom Layer w0.3: v1(262.5,188.9) 264.385,190.785 264.4,190.8 ; DA1.5@268.747,188.839 268.807,188.779 C25.2@268.807,185.906
  Bottom Layer w0.4: C7.2@155.467,168.296 156.681,167.082 156.716,167.082 U4.5@157.077,167.443 ; C9.2@160.655,162.92 161.877,161.698 161.912,161.698 U5.5@162.268,162.055 ; C12.2@234.754,160.737 235.931,161.915 235.931,161.95 U6.5@235.607,162.274 ; C14.2@239.836,165.728 241.018,166.91 241.018,166.946 U7.5@240.693,167.271 ; C13.2@261.054,213.437 262.088,214.471 262.123,214.471 U8.5@262.132,214.462
  Bottom Layer w0.5: 129.098,177.97 141.029,189.9 ; R47.2@137.581,193.348 141.029,189.9 ; VT1.6@146.906,200.049 147.391,200.533 147.461,200.533 147.494,200.5 148.5,200.5 149.2,199.8 149.2,198.071 141.029,189.9
  Bottom Layer w0.8: C15.2@265.854,218.437 U9.5@266.688,219.271
  Bottom Layer w1: 259.5,200.956 260.6,199.856 C16.1@260.6,196.6 260.6,194.6 264.4,190.8 ; 264.385,190.785 C18.2@266.716,188.454 ; C18.2@266.816,188.454 C18.2@266.864,188.454 ; C18.2@267.081,188.454 DA1.5@268.439,188.454
  Bottom Layer w1.2: v2(111.8,205.5) 111.8,195.268 129.098,177.97 XP21.2@135.913,171.155 ; 147.231,159.831 147.231,160.061 155.148,167.978 ; 152.431,154.631 152.431,154.696 160.337,162.602 ; 216.65,167.95 217.95,167.95 227.847,158.053 231.129,158.053 231.308,157.874 232.076,157.874 C10.2@232.256,158.053 234.834,160.631 234.86,160.631 239.792,155.7 241.678,155.7 245.038,159.06 245.038,160.526 240.154,165.41 ; VT5.D@245.284,203.469 247.748,201.004 R40.2@250.843,201.004 252.707,201.004 C46.2@252.755,200.956 259.5,200.956 263.544,205.001 C11.2@263.544,205.547 264.044,205.547 266.597,208.1 ; 261.372,213.119 266.392,208.1 266.597,208.1 ; 266.172,218.119 270.9,213.392 270.9,210.6 268.4,208.1 266.597,208.1
  Bottom Layer w2.5: XP21.2@135.913,171.155 135.913,171.15 147.231,159.831 152.431,154.631 C5.2@155.018,152.044 159.063,148 164.2,148 168.575,152.375 168.575,155.175 180.5,167.1 187.4,167.1 189.1,168.8 209.8,168.8 210.65,167.95 216.65,167.95 230.9,182.2 230.9,198 XP15.2@236.5,203.6
  Bottom Layer w3: XP15.2@236.5,203.6 236.662,203.6 236.794,203.469 VT5.D@245.284,203.469
+48V: HL3.2 R46.2 VT3.S XP22.2 | length 27.2
  Top Layer w0.3: v1(131.817,212.729) 131.832,212.715 136.585,212.715 HL3.2@136.6,212.7
  Bottom Layer w0.3: 130.898,211.81 v1(131.817,212.729)
  Bottom Layer w0.5: R46.2@129.719,207.052 129.719,207.335 129.895,207.511 129.824,207.581 129.824,208.726 130.81,209.711 VT3.S@130.81,210.206
  Bottom Layer w1.5: VT3.S@130.81,210.206 131.057,210.454 131.057,211.651 130.517,212.191 130.517,225.617 XP22.2@131.7,226.8
BALL_SEN: R2.2 U1.29 XP5.1 | length 101.7
  Top Layer w0.3: U1.29@208.662,147.898 209.536,148.772 210.972,148.772 v1(211,148.8) ; v1(215.3,152.5) 223.8,152.5 226.9,155.6 226.9,164.5 236.2,173.8 245.1,173.8 247.7,176.4 247.7,202.549 251.404,206.252 251.404,214.939 R2.2@251.58,215.115 251.755,215.29 251.755,218.855 XP5.1@252.8,219.9
  Bottom Layer w0.3: v1(211,148.8) 214.7,152.5 v1(215.3,152.5)
BG_LED: HL2.2 U1.1 | length 19.2
  Top Layer w0.3: U1.1@201.237,135.877 212.2,124.915 213.6,123.515 HL2.2@213.6,121.75
BT_RESET: C54.2 HC-05.34@279.213,212.921 R73.2 SB7.1 U1.24 | length 141.2
  Top Layer w0.3: U1.24@209.369,144.009 208.892,144.486 208.892,145.056 209.136,145.3 242.936,145.3 284.2,186.564 v1(284.2,198.1) ; v1(281.6,200.9) 281.6,210.04 279.213,212.426 HC-05.34@279.213,212.921 286.058,219.766 SB7.1@286.058,223.242 286.037,223.263 286.037,227.305 R73.2@286.213,227.481 286.203,227.481 285.087,228.597 C54.2@285.078,228.597
  Bottom Layer w0.3: v1(281.6,200.9) 281.657,200.843 281.657,200.643 v1(284.2,198.1)
BT_RX: R67.2 R70.2 U1.25 XP7.3 | length 130.9
  Top Layer w0.3: U1.25@209.723,144.363 213.185,140.9 241.1,140.9 285.2,185 285.2,199.217 286.73,200.747 XP7.3@286.73,200.971
  Bottom Layer w0.3: R70.2@283.231,217.598 283.231,217.549 284.869,215.91 285.754,215.025 285.754,211.384 284.551,210.182 284.551,203.15 XP7.3@286.73,200.971
BT_TX: R68.2 R69.2 U1.26 XP7.2 | length 126.9
  Top Layer w0.3: U1.26@209.723,146.837 209.96,146.6 211.6,146.6 212.2,147.2 244.2,147.2 282.7,185.7 282.7,199.441 XP7.2@286.73,203.471
  Bottom Layer w0.3: R69.2@284.735,219.088 285.073,219.088 R68.2@286.566,217.595 286.566,217.517 287.215,216.868 287.215,211.596 285.351,209.732 285.351,204.851 XP7.2@286.73,203.471
BTN1: C19.2 R43.2 SB3.3 SB3.4 U1.82 | length 92.3
  Top Layer w0.3: SB3.4@131.119,182.843 SB3.3@131.119,174.893 131.14,174.872 133.689,174.872 135.451,173.109 136.691,173.109 139.6,170.2 139.6,165.4 168.052,136.948 187.106,136.948 U1.82@192.399,142.241 ; SB3.4@131.119,182.946 C19.2@133.42,182.946
BTN2: C26.2 R14.2 SB4.3 SB4.4 U1.81 | length 87.8
  Top Layer w0.3: SB4.3@140.159,174.893 140.159,165.566 168.225,137.5 186.95,137.5 U1.81@192.045,142.595 ; SB4.3@140.198,174.854 R14.2@142.426,174.854 ; SB4.3@140.4,174.9 SB4.4@140.4,183.209 ; SB4.4@140.402,183.211 140.402,183.126 140.659,182.869 C26.2@142.432,182.869
  Top Layer w0.5: SB4.3@140.159,174.893 SB4.3@140.198,174.854
BTN3: C37.2 R17.2 SB6.3 SB6.4 U1.68 | length 75.6
  Top Layer w0.3: SB6.3@149.2,174.9 SB6.4@149.2,182.843 149.226,182.869 C37.2@151.286,182.869 ; R17.2@151.28,175.06 151.092,174.872 149.221,174.872 SB6.3@149.2,174.893 148.918,174.611 148.918,159.782 157.68,151.02 191.044,151.02 U1.68@192.752,149.312
CAP: R48.2 VD5.K VT3.D XP4.2 XP6.1 | length 34.9
  Bottom Layer w0.3: R48.2@154.86,197.222 157.377,199.739 157.377,205.695 157.412,205.73 157.412,206.932 VD5.K@157.377,206.968
  Bottom Layer w2: VT3.D@137.025,213.183 137.114,213.095 140.119,213.095 141.624,214.6 146.114,214.6 148.514,212.2 152.05,212.2 156.833,207.417 156.927,207.417 VD5.K@157.342,207.003
CAP_ADC: R53.1 U1.15 | length 74.5
  Top Layer w0.3: v1(163.4,176.6) 166.6,173.4 166.6,171.5 170.236,167.864 173.1,165 176.1,165 185.5,155.6 191.45,155.6 v1(194.202,152.848) ; v1(196.4,150.6) 196.414,150.6 U1.15@206.187,140.827
  Bottom Layer w0.3: R53.1@154.561,188.647 163.4,179.808 v1(163.4,176.6) ; v1(194.202,152.848) 194.202,152.823 196.4,150.625 v1(196.4,150.6)
ESC_IN: R3.2 U1.44 XP14.2 | length 86.3
  Top Layer w0.3: U1.44@203.359,153.201 204.1,153.943 v1(204.1,154) ; v1(215.9,159.2) 218.5,161.8 220.7,161.8 240.3,181.4 240.3,192.5 245.3,197.5 245.3,210.432 244.332,211.4 XP14.2@244.332,211.532
  Bottom Layer w0.3: v1(204.1,154) 209.3,159.2 v1(215.9,159.2) ; XP14.2@244.332,211.532 244.385,211.48 R3.2@249.308,211.48
GK_LED: HL10.2 U1.7 | length 32.8
  Top Layer w0.3: U1.7@203.359,137.999 203.857,137.5 204.9,137.5 206.1,136.3 206.1,134.6 210.4,130.3 223.136,130.3 224.436,129 228.6,129 230.1,127.5 HL10.2@230.1,126.75